# Altium PCB MCU.PcbDoc (part 1 of 3) (continued)
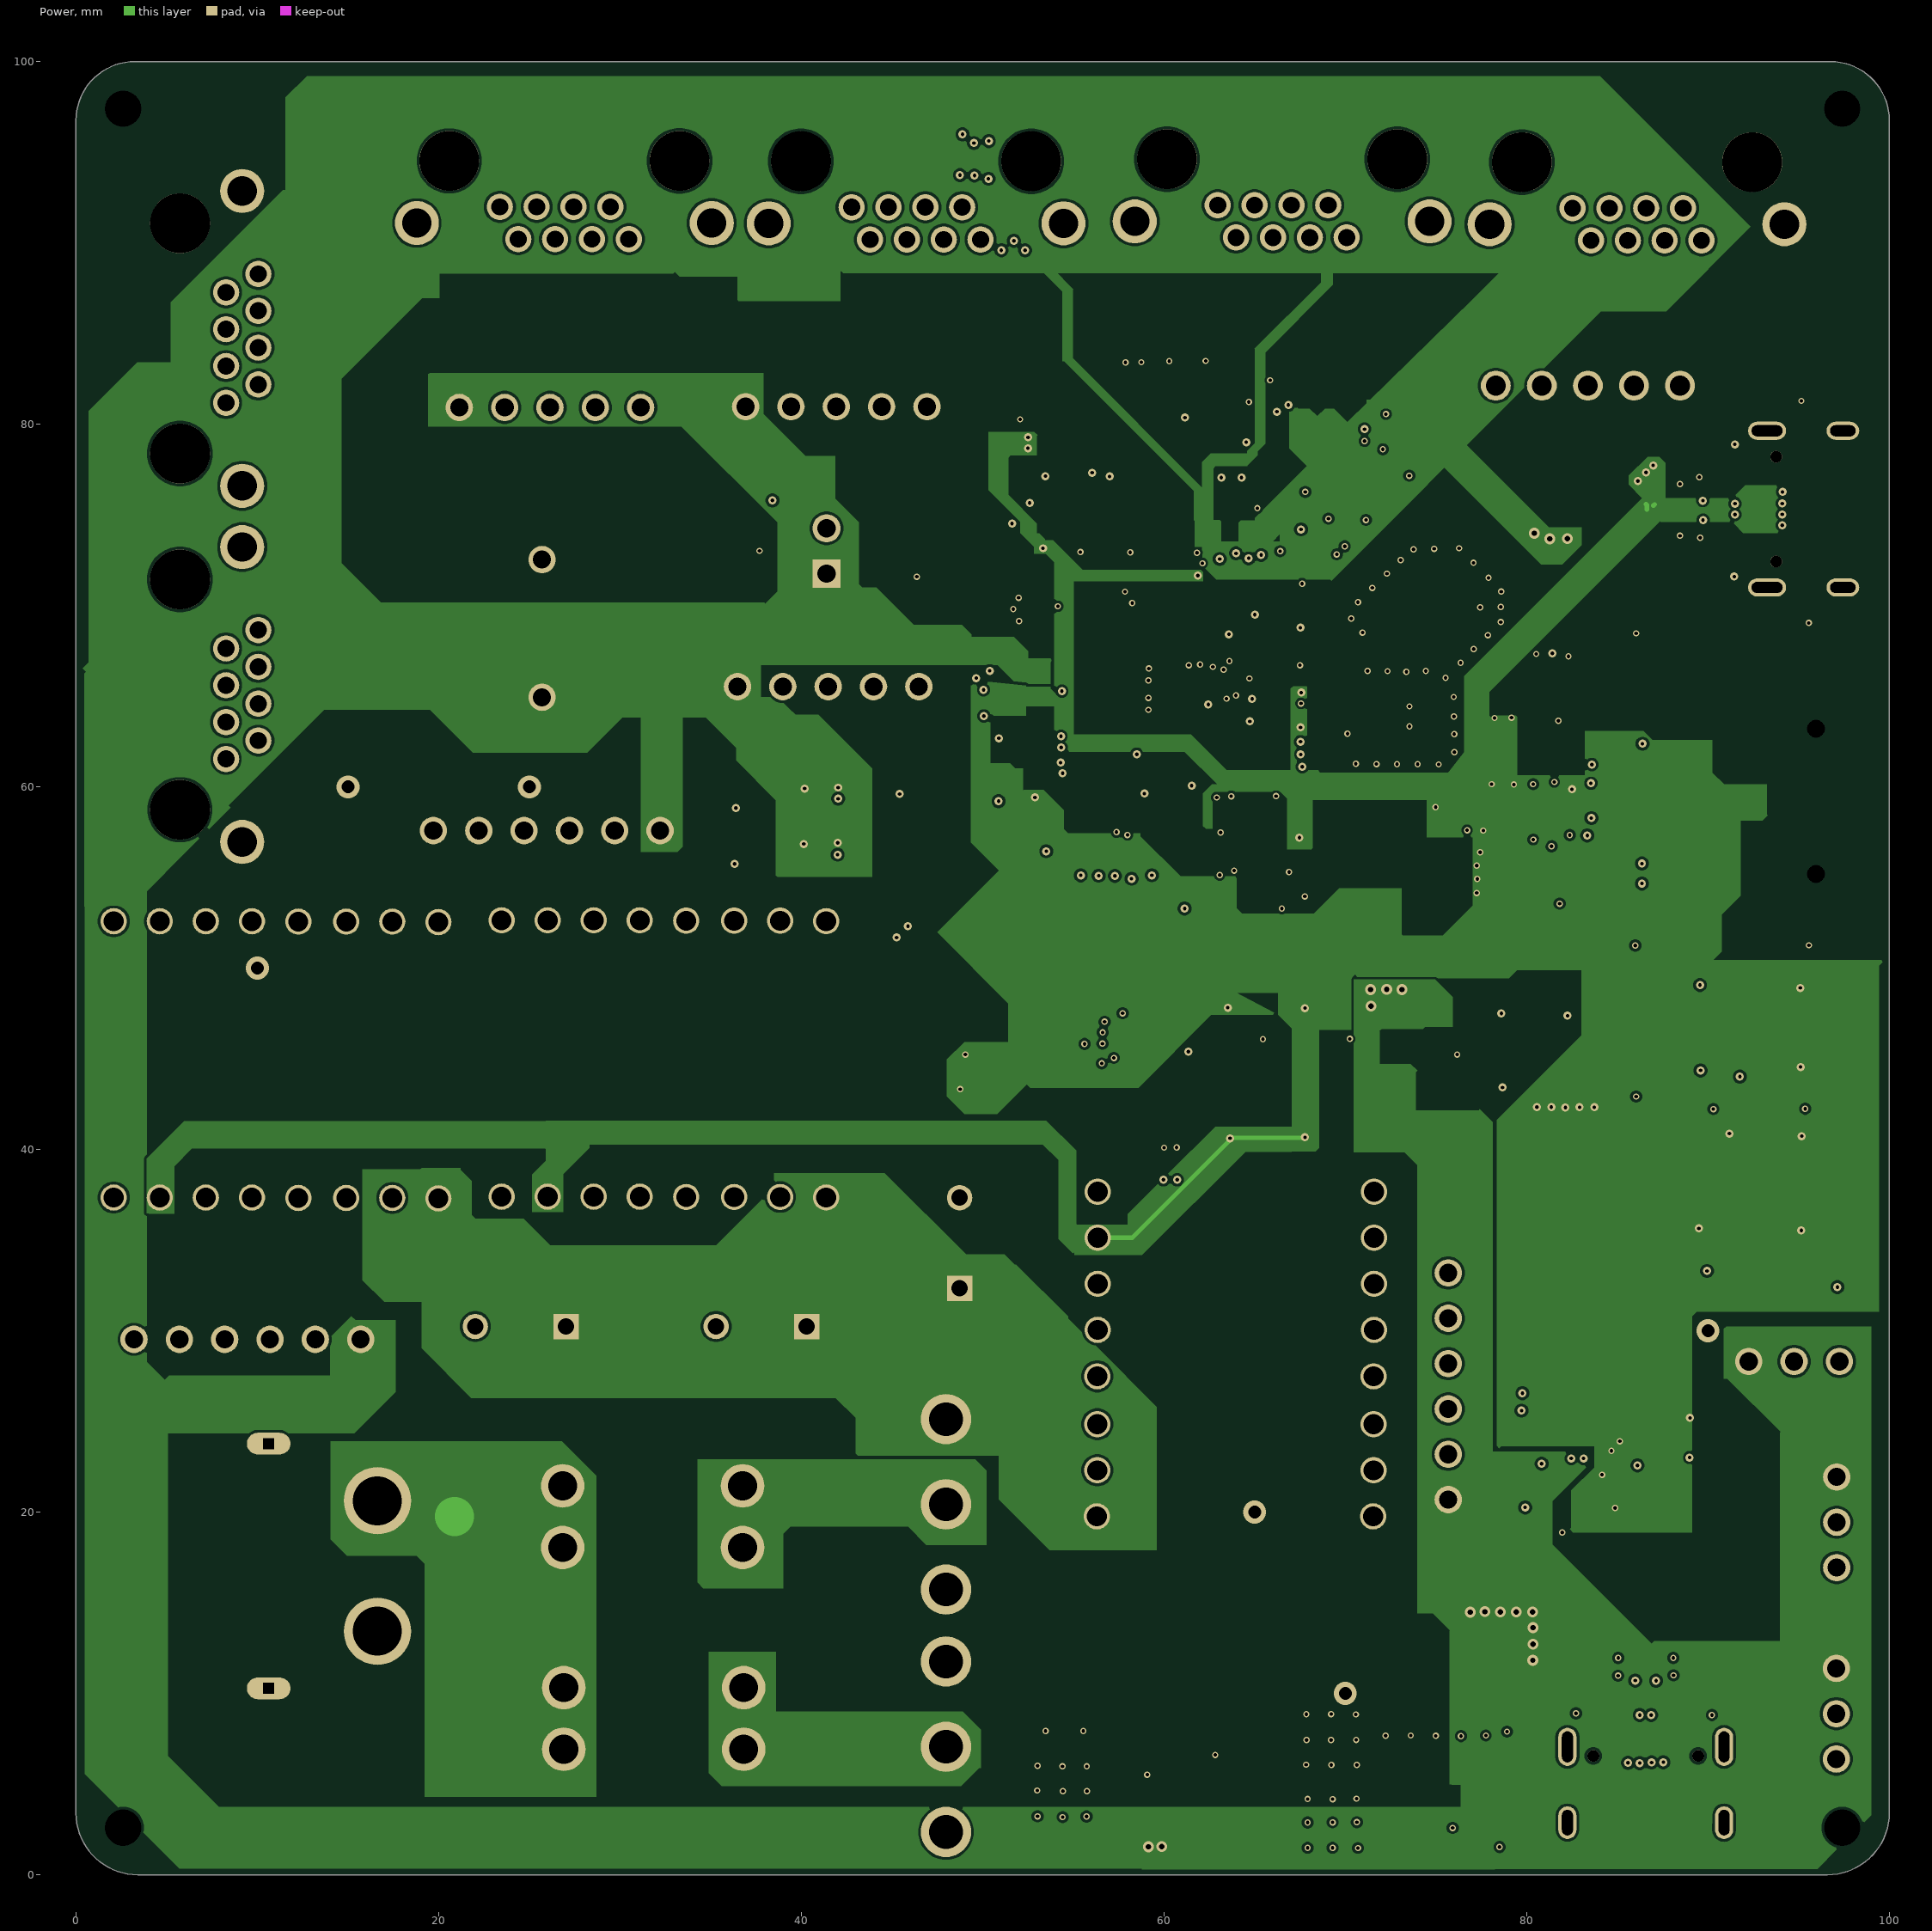
[diagram p3: Power]
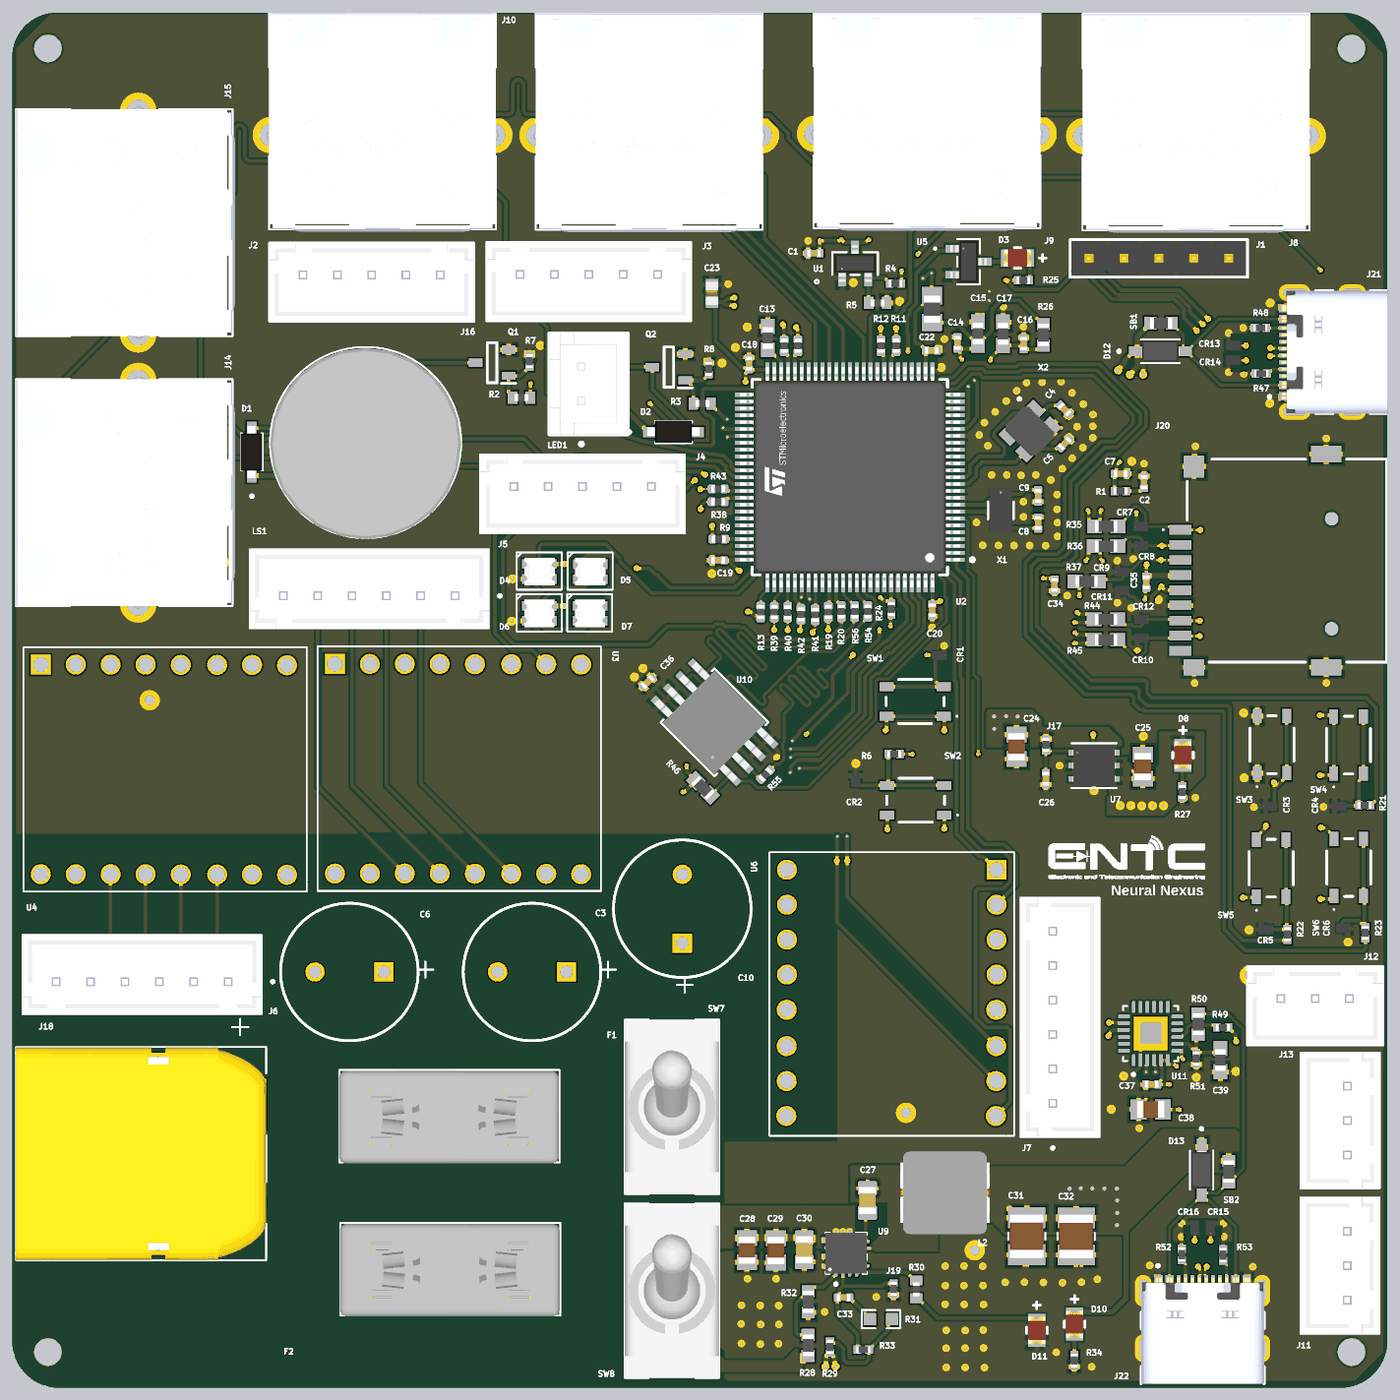
[diagram p6: 3D render of the assembled board from above, using the file's embedded part models]
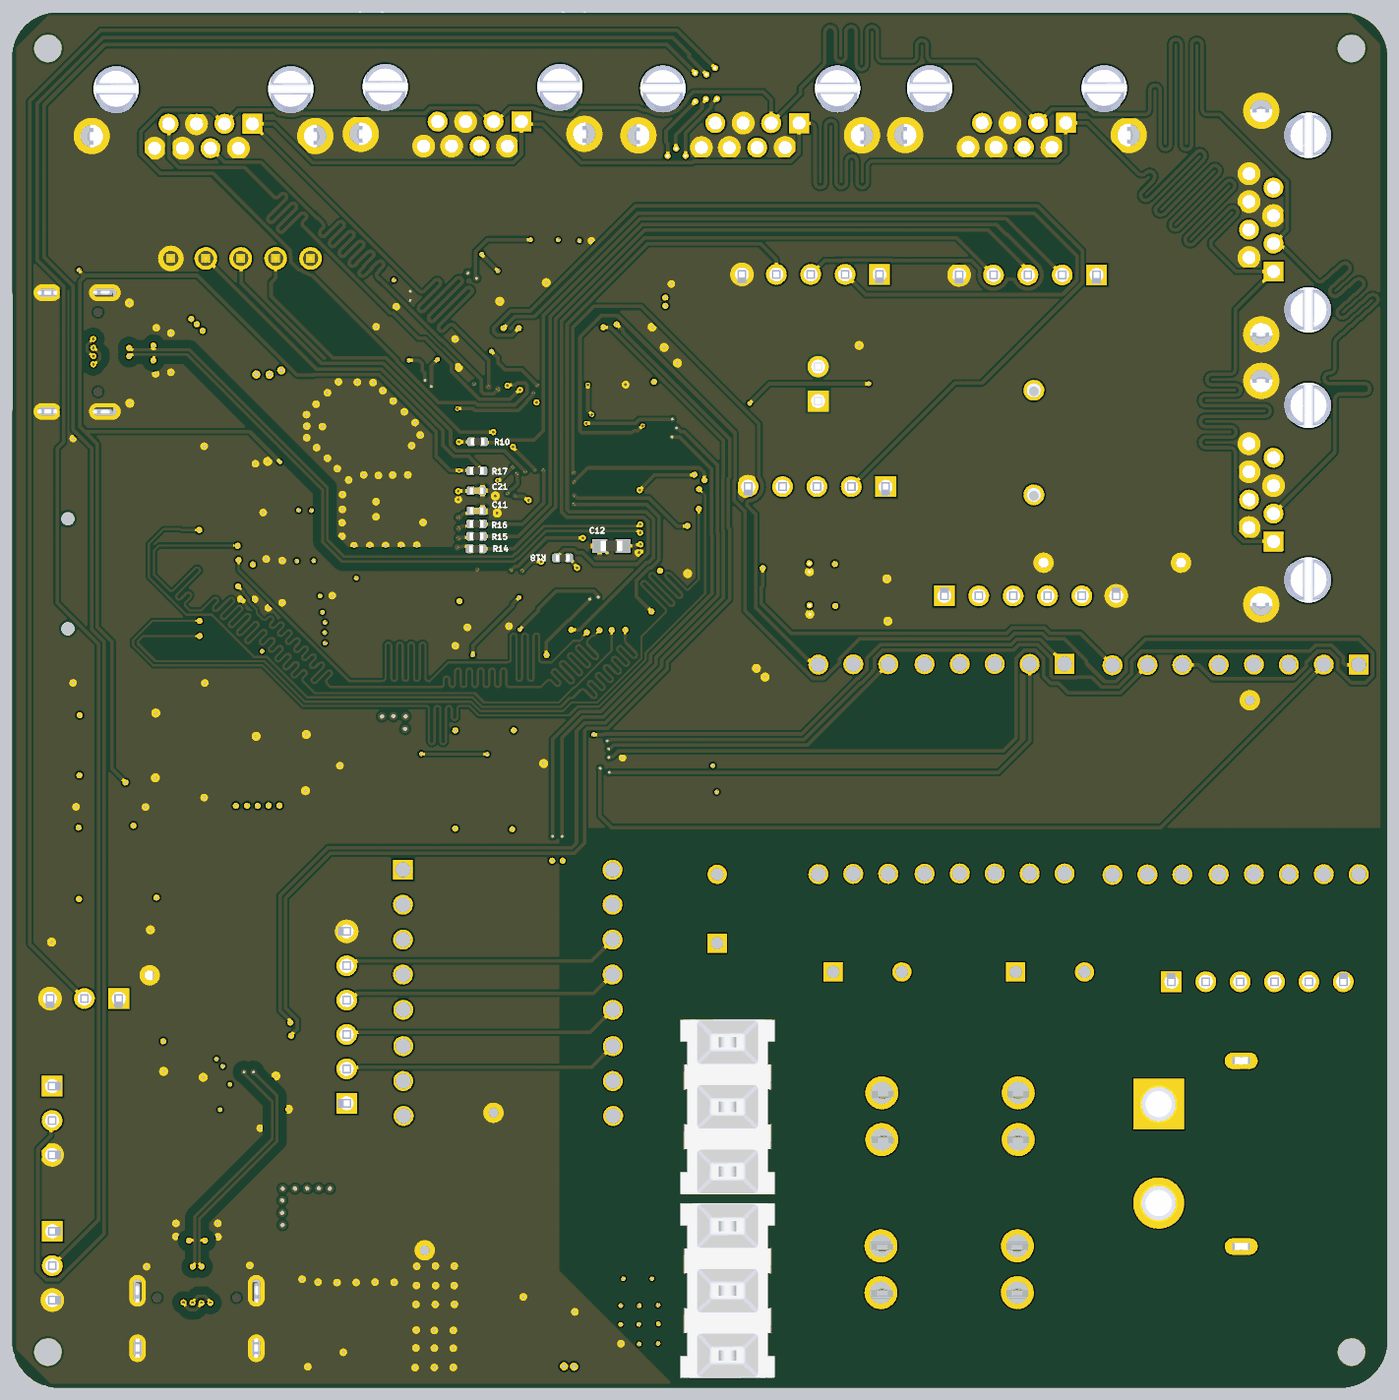
[diagram p7: 3D render of the assembled board from below, using the file's embedded part models]

## Layer stack, top to bottom
Top Solder: solder mask 0.0102, Solder Resist, Dk 3.5
Top Layer: signal copper 0.035
Dielectric 2: prepreg 0.2104, PP-016, Dk 4.4
GND: signal copper 0.0152
Dielectric 1: core 1.065, FR-4, Dk 4.8
Power: signal copper 0.0152
Dielectric 3: prepreg 0.2104, PP-016, Dk 4.4
Bottom Layer: signal copper 0.035
Bottom Solder: solder mask 0.0102, Solder Resist, Dk 3.5

## Board outline
0,3.407 0,96.758 cw(c3.242,96.758) 3.242,100 96.758,100 cw(c96.758,96.758) 100,96.758 100,3.414 cw(c96.586,3.414) 96.586,0 3.407,0 cw(c3.407,3.407)

## Design rules (kind name [scope] priority, off if disabled: settings)
Clearance Clearance_GND [InNet('GND') vs InNet('GND_MOTOR')] p1: gap=0 ignorepadtopadclearanceinfootprint=FALSE
Clearance Clearance_1 [InPolygon AND OnBottomLayer vs InDifferentialPair('USB1')] p2: gap=0.6 ignorepadtopadclearanceinfootprint=FALSE
Clearance Clearance_3 [InPolygon AND OnTopLayer vs InDifferentialPair('USB1')] p3: gap=0.6 ignorepadtopadclearanceinfootprint=FALSE
Clearance Clearance_2 [InPolygon AND OnBottomLayer vs InDifferentialPair('USB2')] p4: gap=0.6 ignorepadtopadclearanceinfootprint=FALSE
Clearance Clearance_4 [InPolygon AND OnTopLayer vs InDifferentialPair('USB2')] p5: gap=0.6 ignorepadtopadclearanceinfootprint=FALSE
Clearance [All] p6: gap=0.15 ignorepadtopadclearanceinfootprint=FALSE
DiffPairsRouting [All] p1: maxlimit=0.254 minlimit=0.15 mostfreqgap=0.15 toplayer_minwidth=0.14 toplayer_maxwidth=0.381 toplayer_prefwidth=0.14 midlayer1_minwidth=0.14 midlayer1_maxwidth=0.381 midlayer1_prefwidth=0.14 midlayer2_minwidth=0.14 midlayer2_maxwidth=0.381 midlayer2_prefwidth=0.14 bottomlayer_minwidth=0.14 bottomlayer_maxwidth=0.381 bottomlayer_prefwidth=0.14 maxuncoupledlength=12.7
HoleSize [All] p1: absolutevalues=TRUE maxlimit=5 minlimit=0.025 maxpercent=80.000 minpercent=20.000
MinimumSolderMaskSliver [All] p1: minsoldermaskwidth=0.1
PlaneClearance GNDMOTORCLE [InNet('GND_MOTOR')] p1: clearance=0
PlaneClearance 12VIN [InNet('12V_IN')] p2: clearance=0
PlaneClearance "5VIN CLEARANCE" [InNet('5V')] p3: clearance=0
PlaneClearance [All] p4: clearance=0.508
PlaneConnect "GND motor" [InNet('GND_MOTOR')] p1: planeconnectstyle=Direct reliefexpansion=0.508 reliefentries=4 reliefconductorwidth=0.254 reliefairgap=0.254
PlaneConnect 12VIN_1 [InNet('12V_IN')] p2: planeconnectstyle=Direct reliefexpansion=0.508 reliefentries=4 reliefconductorwidth=0.254 reliefairgap=0.254
PlaneConnect GNDplane [InNet('GND')] p3: pad.planeconnectstyle=Relief pad.reliefexpansion=0.508 pad.reliefentries=4 pad.reliefconductorwidth=0.35 pad.reliefairgap=0.254 via.planeconnectstyle=Direct via.reliefexpansion=0.508 via.reliefentries=4 via.reliefconductorwidth=0.254 via.reliefairgap=0.254
PlaneConnect 5VIN_PO [InNet('5V')] p4: pad.planeconnectstyle=Relief pad.reliefexpansion=0.508 pad.reliefentries=4 pad.reliefconductorwidth=0.4 pad.reliefairgap=0.254 via.planeconnectstyle=Direct via.reliefexpansion=0.508 via.reliefentries=4 via.reliefconductorwidth=0.254 via.reliefairgap=0.254
PlaneConnect [All] p5: planeconnectstyle=Relief reliefexpansion=0.508 reliefentries=4 reliefconductorwidth=0.254 reliefairgap=0.254
PolygonConnect PolygonConnect3 [InNet('NetF2_2') vs InNet('NetF2_2')] p1: connectstyle=Direct reliefconductorwidth=0.254 reliefentries=4 polygonreliefangle="90 Angle" airgapwidth=0.254
PolygonConnect PolygonConnect4 [InNet('NetF1_2') vs InNet('NetF1_2')] p2: connectstyle=Direct reliefconductorwidth=0.254 reliefentries=4 polygonreliefangle="90 Angle" airgapwidth=0.254
PolygonConnect 3V3 [InNet('3V3') vs InNet('3V3')] p3: thpad.connectstyle=Direct thpad.reliefconductorwidth=0.254 thpad.reliefentries=4 thpad.polygonreliefangle="90 Angle" thpad.airgapwidth=0.254 smdpad.connectstyle=Relief smdpad.reliefconductorwidth=0.35 smdpad.reliefentries=4 smdpad.polygonreliefangle="90 Angle" smdpad.airgapwidth=0.254 via.connectstyle=Direct via.reliefconductorwidth=0.254 via.reliefentries=4 via.polygonreliefangle="90 Angle" via.airgapwidth=0.254
PolygonConnect GNDmotor [InNet('GND_MOTOR')] p4: connectstyle=Direct reliefconductorwidth=0.254 reliefentries=4 polygonreliefangle="90 Angle" airgapwidth=0.254
PolygonConnect 12Vlogic [InNet('12V_LOGIC') vs InNet('12V_LOGIC')] p5: thpad.connectstyle=Direct thpad.reliefconductorwidth=0.254 thpad.reliefentries=4 thpad.polygonreliefangle="90 Angle" thpad.airgapwidth=0.254 smdpad.connectstyle=Relief smdpad.reliefconductorwidth=0.4 smdpad.reliefentries=4 smdpad.polygonreliefangle="90 Angle" smdpad.airgapwidth=0.254 via.connectstyle=Relief via.reliefconductorwidth=0.254 via.reliefentries=4 via.polygonreliefangle="90 Angle" via.airgapwidth=0.254
PolygonConnect 12VMotor [InNet('12V_MOTOR') vs InNet('12V_MOTOR')] p6: connectstyle=Direct reliefconductorwidth=0.254 reliefentries=4 polygonreliefangle="90 Angle" airgapwidth=0.254
PolygonConnect 12VIN_2 [InNet('12V_IN') vs InNet('12V_IN')] p7: connectstyle=Direct reliefconductorwidth=0.254 reliefentries=4 polygonreliefangle="90 Angle" airgapwidth=0.254
PolygonConnect GND_style [InNet('GND') vs InNet('GND')] p8: thpad.connectstyle=Direct thpad.reliefconductorwidth=0.254 thpad.reliefentries=4 thpad.polygonreliefangle="90 Angle" thpad.airgapwidth=0.254 smdpad.connectstyle=Relief smdpad.reliefconductorwidth=0.35 smdpad.reliefentries=4 smdpad.polygonreliefangle="90 Angle" smdpad.airgapwidth=0.254 via.connectstyle=Direct via.reliefconductorwidth=0.254 via.reliefentries=4 via.polygonreliefangle="90 Angle" via.airgapwidth=0.254
PolygonConnect 5V [InNet('5V') vs InNet('5V')] p9: thpad.connectstyle=Direct thpad.reliefconductorwidth=0.254 thpad.reliefentries=4 thpad.polygonreliefangle="90 Angle" thpad.airgapwidth=0.254 smdpad.connectstyle=Relief smdpad.reliefconductorwidth=0.4 smdpad.reliefentries=4 smdpad.polygonreliefangle="90 Angle" smdpad.airgapwidth=0.254 via.connectstyle=Direct via.reliefconductorwidth=0.254 via.reliefentries=4 via.polygonreliefangle="90 Angle" via.airgapwidth=0.254
PolygonConnect [All] p10: connectstyle=Relief reliefconductorwidth=0.254 reliefentries=4 polygonreliefangle="90 Angle" airgapwidth=0.254
RoutingVias [All] p1: holewidth=0.711 width=1.27 viastyle="Through Hole" minholewidth=0.2 minwidth=0.35 maxholewidth=0.711 maxwidth=1.27
ShortCircuit "Allow Star Point" [InNet('GND_MOTOR') vs InNet('GND')] p1: allowed=TRUE
ShortCircuit [All] p2: allowed=FALSE
SilkToSilkClearance [All] p1: silktosilkclearance=0.15
SilkToSolderMaskClearance [IsPad] p1: minsilkscreentomaskgap=0.15 clearancetoexposedcopper=TRUE
SolderMaskExpansion [All] p1: expansion=0.102 istentingtop=FALSE
SupplyNets "Schematic Supply Nets_7" [InNet('5V')] p1: voltage=0.000
SupplyNets "Schematic Supply Nets_6" [InNet('VBUS2')] p2: voltage=0.000
SupplyNets "Schematic Supply Nets_5" [InNet('3V3')] p3: voltage=0.000
SupplyNets "Schematic Supply Nets_4" [InNet('VBUS')] p4: voltage=0.000
SupplyNets "Schematic Supply Nets_3" [InNet('12V_MOTOR')] p5: voltage=0.000
SupplyNets "Schematic Supply Nets_2" [InNet('GND_MOTOR')] p6: voltage=0.000
SupplyNets "Schematic Supply Nets" [InNet('GND')] p7: voltage=0.000
Width "GND MOTOR_1" [InNet('GND_MOTOR')] p1: maxlimit=1 minlimit=0.254 preferedwidth=0.254
Width SD_Width_50Ohm [InNetClass('Micro_SD') OR InNetClass('Micro_SD_CK')] p2: maxlimit=0.16 minlimit=0.12 preferedwidth=0.14
Width [All] p3: maxlimit=10 minlimit=0.15 preferedwidth=0.254 midlayer1_maxwidth=0.5 midlayer2_maxwidth=2.15 bottomlayer_maxwidth=0.5 minimp=50.000000 maximp=50.000000 favimp=50.000000
22 further rules are at their usual default settings.

## Classes and differential pairs
component class "STM32H7 Board": C1 C2 C3 C4 C5 C6 C7 C8 C9 C10 C11 C12 C13 C14 C15 C16 C17 C18 C19 C20 C21 C22 C23 CR1 CR2 CR3 CR4 CR5 CR6 D1 D2 D3 D4 D5 D6 D7 FB1 J1 J2 J3 J4 J5 J6 J7 J8 J9 J10 J11 J12 J13 J14 J15 J16 LED1 LS1 Q1 Q2 R1 R2 R3 R4 R5 R6 R7 R8 R9 R10 R11 R12 R13 R14 R15 R16 R17 R18 R19 R20 R21 R22 R23 R24 R25 R26 R54 R55 R56 R57 R58 SW1 SW2 SW3 SW4 SW5 SW6 U1 U2 U3 U4 U5 U6 X1 X2
component class POWER: C24 C25 C26 C27 C28 C29 C30 C31 C32 C33 D8 D10 D11 F1 F2 J17 J18 J19 L2 R27 R28 R29 R30 R31 R32 R33 R34 SW7 SW8 U7 U9
component class PI_CON: C37 C38 C39 CR13 CR14 CR15 CR16 D12 D13 J21 J22 R47 R48 R49 R50 R51 R52 R53 SB1 SB2 U11
component class MicroSD: C34 C35 C36 CR7 CR8 CR9 CR10 CR11 CR12 J20 R35 R36 R37 R38 R39 R40 R41 R42 R43 R44 R45 R46 U10
differential pair USB1: +PA12 -PA11
differential pair USB2: +USB2_DP -USB2_DN

## Components (designator, comment, footprint, x,y, rotation, side; value= is the part's Value field where it differs from the comment)
C1 "100 nF 0402" CAPC1005X55N 58.3,82.51 r0 top
C2 "100 nF 0402" CAPC1005X55N 82.31,65.86 r270 top
C3 "ECA-1HM471" CAPPR65-500-2000X1000X2200 37.8,30.24 r180 top value=470µF
C4 "10pF" CAPC1005X55N 76.53,71.15 r315 top
C5 "10pF" CAPC1005X55N 76.555,68.675 r45 top
C6 "ECA-1HM471" CAPPR65-500-2000X1000X2200 24.52,30.24 r180 top value=470µF
C7 "100 nF 0402" CAPC1005X55N 80.6,66.47 r180 top
C8 "12pF" CAPC1005X55N 74.6,62.89 r90 top
C9 "12pF" CAPC1005X55N 74.6,64.86 r270 top
C10 "ECA-1HM471" CAPPR65-500-2000X1000X2200 48.73,34.84 r90 top value=470µF
C11 "100 nF 0402" CAPC1005X55N 66.228,63.78 r0 bottom
C12 "2.2uF 0603" CAPC1608X90 56.42,61.22 r0 bottom
C13 "2.2uF 0603" CAPC1608X90 54.95,76.34 r90 top
C14 "100 nF 0402" CAPC1005X55N 68.74,75.992 r270 top
C15 "1uF 0603" CAPC1608X90 70.22,76.672 r90 top
C16 "100 nF 0402" CAPC1005X55N 73.56,75.938 r270 top
C17 "1uF 0603" CAPC1608X90 72.05,76.65 r90 top
C18 "100 nF 0402" CAPC1005X55N 53.58,74.478 r270 top
C19 "100 nF 0402" CAPC1005X55N 51.338,60.18 r0 top
C20 "100 nF 0402" CAPC1005X55N 66.9,56.55 r90 top
C21 "100 nF 0402" CAPC1005X55N 66.23,65.24 r0 bottom
C22 "100 nF 0402" CAPC1005X55N 66.86,75.44 r180 top
C23 "4.7uF 0603" CAP_CC0603_YAG 50.88,79.58 r270 top
C24 "4.7uF X7R" CAPC2012X145N 73.03,46.62 r90 top
C25 "4.7uF X7R" CAPC2012X145N 82.22,45.18 r270 top
C26 "100 nF 0402" CAPC1005X55N 75.17,44.29 r90 top
C27 "0.1uF 0805" CAPC2012X95N 62.2,13.62 r270 top
C28 "10uF 0805" CAPC2012X145N 53.43,10.01 r90 top
C29 "10uF 0805" CAPC2012X145N 55.54,9.99 r90 top
C30 "0.1uF 0805" CAPC2012X95N 57.6,10.04 r90 top
C31 "22uF 1210" CAPC3225X270N 73.78,11.02 r90 top
C32 "22uF 1210" CAPC3225X270N 77.37,11.009 r90 top
C33 "100pF" CAPC1005X55N 60.46,6.56 r0 top
C34 "1uF" CAPC1005X55N 75.8,58.378 r90 top
C35 "100 nF 0402" CAPC1005X55N 82.47,58.58 r90 top
C36 "100 nF 0402" CAPC1005X55N 46.21,51.33 r45 top
C37 "100 nF 0402" CAPC1005X55N 82.862,22.07 r0 top
C38 "4.7uF X7R" CAPC2012X145N 82.79,20.25 r0 top
C39 "1uF 0603" CAPC1608X90 87.86,23.83 r270 top
CR1 "SP0402B-ULC-01ETG" SP0402_LTF 67.44,53.25 r180 top
CR2 "SP0402B-ULC-01ETG" SP0402_LTF 61.33,44.19 r270 top
CR3 "SP0402B-ULC-01ETG" SP0402_LTF 91.462,42.3 r0 top
CR4 "SP0402B-ULC-01ETG" SP0402_LTF 96.488,42.3 r0 top
CR5 "SP0402B-ULC-01ETG" SP0402_LTF 91.16,33.33 r0 top
CR6 "SP0402B-ULC-01ETG" SP0402_LTF 96.823,33.43 r180 top
CR7 "SP0402B-ULC-01ETG" SP0402_LTF 82.093,62.63 r0 top
CR8 "SP0402B-ULC-01ETG" SP0402_LTF 82.103,61.24 r0 top
CR9 "SP0402B-ULC-01ETG" SP0402_LTF 80.703,59.31 r0 top
CR10 "SP0402B-ULC-01ETG" SP0402_LTF 82.127,54.53 r180 top
CR11 "SP0402B-ULC-01ETG" SP0402_LTF 80.702,57.98 r180 top
CR12 "SP0402B-ULC-01ETG" SP0402_LTF 82.13,55.89 r180 top
CR13 "SP0402B-ULC-01ETG" SP0402_LTF 88.792,75.79 r180 top
CR14 "SP0402B-ULC-01ETG" SP0402_LTF 88.782,74.73 r180 top
CR15 "SP0402B-ULC-01ETG" SP0402_LTF 87.14,11.638 r90 top
CR16 "SP0402B-ULC-01ETG" SP0402_LTF 86.01,11.64 r90 top
D1 "1N4148W" SODFL3816X120N 17.43,68.05 r90 top
D2 "1N4148W" SODFL3816X120N 48.09,69.5 r0 top
D3 "BLUE LED" FP-SML-LX0805SRC-TR-MFG 73.11,82.16 r180 top
D4 "WS2812C-2020" WS2812C2020 38.35,59.36 r180 top
D5 "WS2812C-2020" WS2812C2020 42.045,59.35 r180 top
D6 "WS2812C-2020" WS2812C2020 38.34,56.32 r180 top
D7 "WS2812C-2020" WS2812C2020 42.015,56.32 r180 top
D8 "LED" FP-SML-LX0805SRC-TR-MFG 85.14,46 r270 top
D10 "LED" FP-SML-LX0805SRC-TR-MFG 77.26,4.63 r270 top
D11 "LED" FP-SML-LX0805SRC-TR-MFG 74.51,4.18 r270 top
D12 "1N5819HW-7-F" SOD3715X145N 83.49,75.38 r0 top
D13 "1N5819HW-7-F" SOD3715X145N 86.5,15.83 r270 top
Designator14 "Comment" "2 MM HOLE" 2.6,2.6 r0 top
Designator16 "Comment" "2 MM HOLE" 2.6,97.4 r0 top
Designator17 "Comment" "2 MM HOLE" 97.4,97.4 r0 top
Designator18 "Comment" "2 MM HOLE" 97.4,2.6 r0 top
F1 "Fuse Mount" FUSE_3568 31.8,19.75 r0 top
F2 "Fuse Mount" FUSE_3568 31.86,8.62 r0 top
FB1 "MI0805J102R-10" FB_MI0805J102R-10 66.9,78.447 r90 top
J1 "SW Debug" 61300511121 83.38,82.13 r0 top
J2 "M4" JST_B5B-XH-A 26.14,80.405 r180 top
J3 "M6" JST_B5B-XH-A 41.93,80.445 r180 top
J4 "M5" JST_B5B-XH-A 41.48,65.005 r180 top
J5 "B6B-XH-A" JST_B6B-XH-A 25.96,58.115 r0 top
J6 "B6B-XH-A" JST_B6B-XH-A 9.45,30.055 r0 top
J7 "B6B-XH-A" JST_B6B-XH-A 76.201,26.941 r270 top
J8 "RJ45 M1" AMPHENOL_RJHSE5380 86.088,94.46 r180 top locked
J9 "RJ45 M2" AMPHENOL_RJHSE5380 66.52,94.62 r180 top
J10 "RJ45 M3" AMPHENOL_RJHSE5380 46.33,94.51 r180 top locked
J11 "B3B-XH-A" JST_B3B-XH-A 96.555,8.88 r90 top
J12 "B3B-XH-A" JST_B3B-XH-A 94.75,27.785 r180 top
J13 "B3B-XH-A" JST_B3B-XH-A 96.575,19.44 r90 top
J14 "RJ45 M4" AMPHENOL_RJHSE5380 5.735,65.096 r270 top
J15 "RJ45 M5" AMPHENOL_RJHSE5380 5.735,84.734 r270 top
J16 "RJ45 M6" AMPHENOL_RJHSE5380 26.93,94.53 r180 top
J17 "10k 0402" RESC1005X40N 75.18,46.75 r90 top
J18 "XT60PW-M" AMASS_XT60PW-M 10.625,17.03 r270 top
J19 "10k 0402" RESC1005X40N 64.09,7.19 r90 top
J20 "TF-115-BCP9" TF115BCP9 92.7,60.15 r90 top locked
J21 "USB C 16P" GCT_USB4105-GF-A 97.44,75.32 r90 top locked
J22 "USB C 16P" GCT_USB4105-GF-A 86.57,2.875 r0 top locked
L2 "3.3uH" "IND-SMD_L4.0-W4.0 - duplicate" 67.83,14.18 r0 top
LED1 "B2B-XH-A(LF)(SN)" FP-B2B-XH-A_LF_SN-MFG 41.915,73.01 r90 top
LS1 "Buzzer" XDCR_KPEG242-5V 25.7,68.74 r90 top
Q1 "2N7002LT3G" SOT96P237X111-3N 34.9,74.545 r180 top
Q2 "2N7002LT3G" SOT96P237X111-3N 47.75,74.225 r180 top
R1 "330R" RESC1005X40N 80.59,65.21 r0 top
R2 "100R" RESC1005X40 37.03,72.01 r180 top
R3 "100R" RESC1005X40 50.18,71.58 r180 top
R4 "1.5 kOhm" RESC1005X40N 64.238,80.31 r0 top
R5 "100kOhm" RESC1005X40 62.94,78.9 r180 top
R6 "330R" RESC1005X40N 64.14,46.09 r180 top
R7 "10k 0402" RESC1005X40N 37.62,74.66 r270 top
R8 "10k 0402" RESC1005X40N 50.66,74.102 r270 top
R9 "22R 0402" R0402 51.376,61.72 r180 top
R10 "22R 0402" R0402 66.16,68.8 r180 bottom
R11 "22R 0402" R0402 64.29,75.79 r90 top
R12 "22R 0402" R0402 63.17,75.78 r90 top
R13 "22R 0402" R0402 54.43,56.414 r270 top
R14 "22R 0402" R0402 66.256,61.01 r180 bottom
R15 "22R 0402" R0402 66.23,61.92 r180 bottom
R16 "22R 0402" R0402 66.225,62.82 r180 bottom
R17 "22R 0402" R0402 66.21,66.68 r180 bottom